# Altium PCB PCB1.PcbDoc (part 1 of 2) (continued)
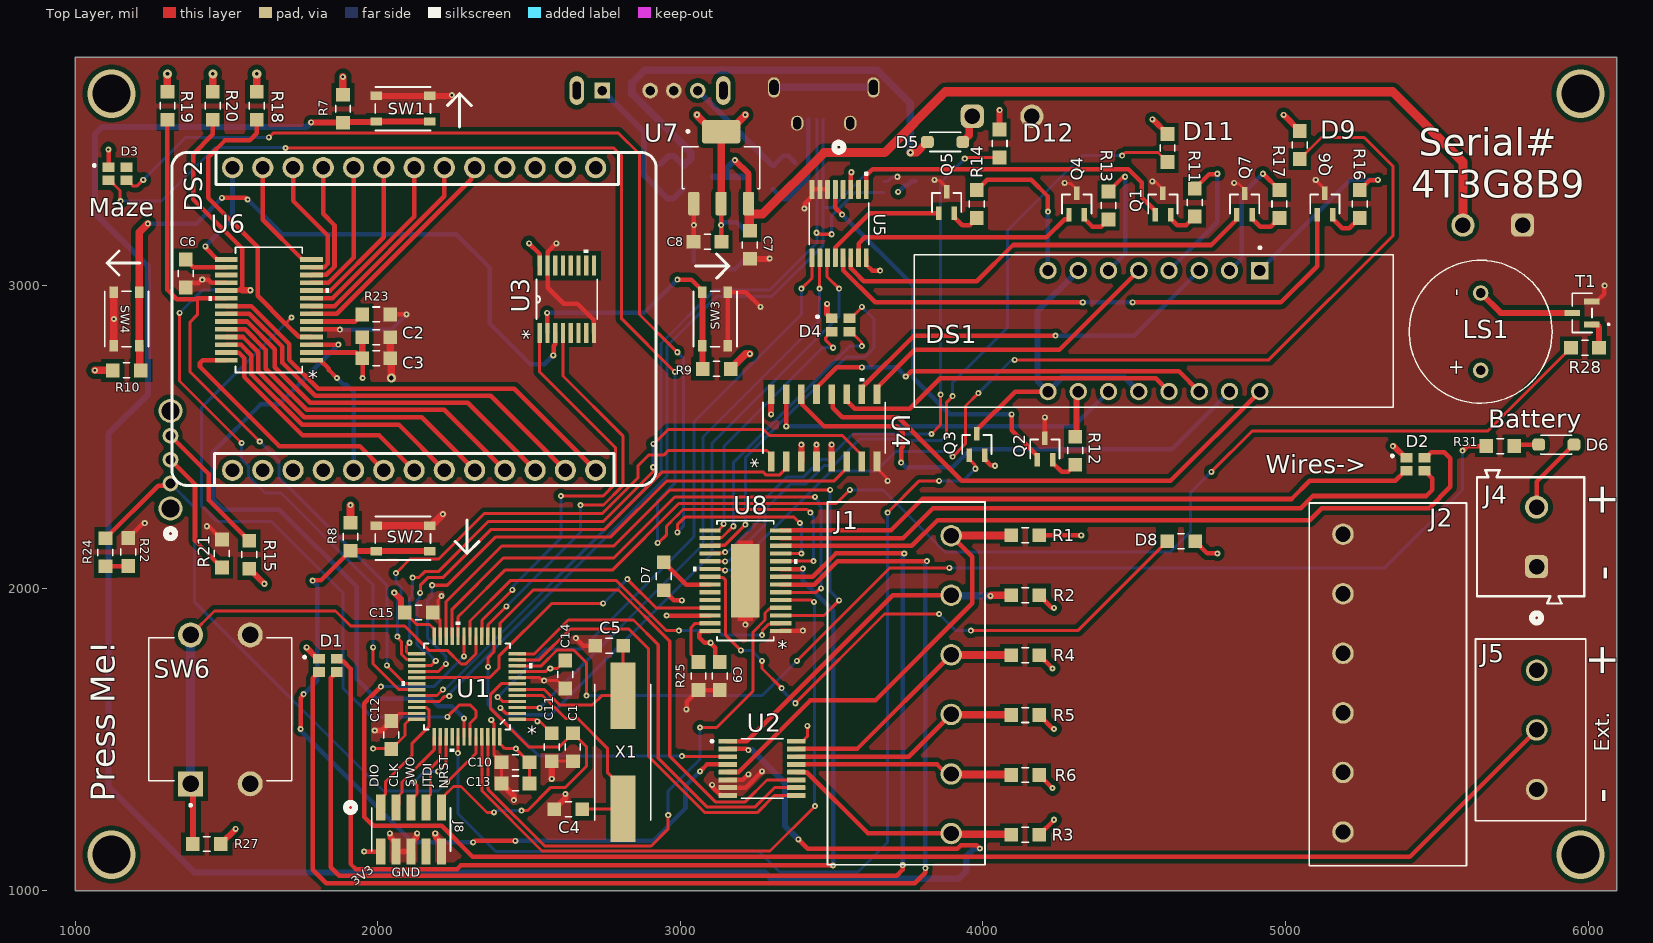
[diagram p0: Top Layer view]
## Part data (continued)
R7 R8 R9 R10 R15 R21 R27 R29 R30 R31: library part "RES 10k 5% 0.125W 0805", "Fixed Resistor, Metal Glaze/thick Film, 0.125W, 10000ohm, 150V, 5% +/-Tol, 200ppm/Cel, Surface Mount, 0805", Case/Package=0805, Manufacturer=Panasonic, Manufacturer Part Number=ERJ-6GEYJ103V, Max Operating Temperature=155°C, Min Operating Temperature=-55°C, Package Height=0.6mm, Package Length=2mm, Package Shape=Rectangular, Package Width=1.25mm, Power=125mW, Rated Temperature=70°C, Resistor Type="FIXED RESISTOR", Supplier Part Number=P10KACT-ND, Temperature Coefficient (ppm/Cel)=200, Tolerance=5%, Working Voltage=150V, Category="Chip SMD Resistors", ComponentLink1Description=https://datasheet.ciiva.com:443/pdfs/VipMasterIC/IC/PANA/PANA-S-A0009891627/PANA-S-A0009891627-1.pdf?src-supplier=IHS+Markit, ComponentLink1URL=https://datasheet.ciiva.com:443/pdfs/VipMasterIC/IC/PANA/PANA-S-A0009891627/PANA-S-A0009891627-1.pdf?src-supplier=IHS+Markit, ComponentLink2Description=https://datasheet.ciiva.com/11821/0900766b80f806dd-11821504.pdf?src-supplier=Rs, ComponentLink2URL=https://datasheet.ciiva.com/11821/0900766b80f806dd-11821504.pdf?src-supplier=Rs, ComponentLink3Description=https://datasheet.ciiva.com/43460/1500035-43460125.pdf?src-supplier=Farnell, ComponentLink3URL=https://datasheet.ciiva.com/43460/1500035-43460125.pdf?src-supplier=Farnell, ComponentLink4Description=https://datasheet.ciiva.com/16787/70255313-16787775.pdf?src-supplier=Allied+Electronics, ComponentLink4URL=https://datasheet.ciiva.com/16787/70255313-16787775.pdf?src-supplier=Allied+Electronics, ComponentLink5Description=https://datasheet.ciiva.com/9117/aoa0000ce1-9117371.pdf?src-supplier=Avnet, ComponentLink5URL=https://datasheet.ciiva.com/9117/aoa0000ce1-9117371.pdf?src-supplier=Avnet, ComponentLink6Description=https://datasheet.ciiva.com/22785/1500035-22785957.pdf?src-supplier=Farnell, ComponentLink6URL=https://datasheet.ciiva.com/22785/1500035-22785957.pdf?src-supplier=Farnell, ComponentLink7Description=https://datasheet.ciiva.com/28514/1678796-28514236.pdf?src-supplier=Element14, ComponentLink7URL=https://datasheet.ciiva.com/28514/1678796-28514236.pdf?src-supplier=Element14, ComponentLink8Description=https://datasheet.ciiva.com/16782/70255313-16782712.pdf?src-supplier=Allied+Electronics, ComponentLink8URL=https://datasheet.ciiva.com/16782/70255313-16782712.pdf?src-supplier=Allied+Electronics, ComponentLink9Description=https://datasheet.ciiva.com/16428/aoa0000ce1-16428072.pdf?src-supplier=Future+Electronics, ComponentLink9URL=https://datasheet.ciiva.com/16428/aoa0000ce1-16428072.pdf?src-supplier=Future+Electronics, ComponentLink10Description=https://datasheet.ciiva.com/30128/4aoa0000ce1-30128839.pdf?src-supplier=Onlinecomponents.com, ComponentLink10URL=https://datasheet.ciiva.com/30128/4aoa0000ce1-30128839.pdf?src-supplier=Onlinecomponents.com, ComponentLink11Description=https://datasheet.ciiva.com/46386/1500035-46386469.pdf?src-supplier=Element14, ComponentLink11URL=https://datasheet.ciiva.com/46386/1500035-46386469.pdf?src-supplier=Element14, Construction=Rectangular, JESD-609 Code=e3, Mounting Technology="Surface Mount", Packaging="Tape and Reel", Pins=2, Pricing="1=0.1, 10=0.041, 50=0.0256, 100=0.0212, 500=0.01448, 1000=0.01254 (USD)", Reach SVHC Compliant=Yes, Reference Standard=AEC-Q200, RoHS=Yes, RoHS Compliant=Yes, Stock=572653, Supplier=Digikey, Technology="METAL GLAZE/THICK FILM", Terminal Finish=Nickel, Termination=Wraparound
R11 R12 R13 R14 R16 R17: library part "RES 162 1% 0.125W 0805", "Fixed Resistor, Metal Glaze/thick Film, 0.125W, 162ohm, 150V, 1% +/-Tol, 100ppm/Cel, Surface Mount, 0805", Case/Package=0805, Manufacturer=Yageo, Manufacturer Part Number=RC0805FR-07162RL, Max Operating Temperature=155°C, Min Operating Temperature=-55°C, Package Height=0.5mm, Package Length=2mm, Package Shape=Rectangular, Package Width=1.25mm, Power=125mW, Rated Temperature=70°C, Resistor Type="FIXED RESISTOR", Supplier Part Number=311-162CRCT-ND, Temperature Coefficient (ppm/Cel)=100, Tolerance=1%, Working Voltage=150V, Additional Feature="LASER TRIMMABLE", Category="Chip SMD Resistors", ComponentLink1Description=https://datasheet.ciiva.com:443/pdfs/VipMasterIC/IC/YAGO/YAGO-S-A0008145938/YAGO-S-A0008145938-1.pdf?src-supplier=IHS+Markit, ComponentLink1URL=https://datasheet.ciiva.com:443/pdfs/VipMasterIC/IC/YAGO/YAGO-S-A0008145938/YAGO-S-A0008145938-1.pdf?src-supplier=IHS+Markit, ComponentLink2Description=https://datasheet.ciiva.com/2457/pyu-r-int-thick-7-2457830.pdf?src-supplier=Digikey, ComponentLink2URL=https://datasheet.ciiva.com/2457/pyu-r-int-thick-7-2457830.pdf?src-supplier=Digikey, ComponentLink3Description=https://datasheet.ciiva.com/2457/pyu-r-int-thick-7-2457831.pdf?src-supplier=Digikey, ComponentLink3URL=https://datasheet.ciiva.com/2457/pyu-r-int-thick-7-2457831.pdf?src-supplier=Digikey, ComponentLink4Description=https://datasheet.ciiva.com/2457/pyu-r-int-thick-7-2457832.pdf?src-supplier=Digikey, ComponentLink4URL=https://datasheet.ciiva.com/2457/pyu-r-int-thick-7-2457832.pdf?src-supplier=Digikey, Construction=Chip, JESD-609 Code=e3, Mounting Technology="Surface Mount", Packaging="Tape and Reel", Pins=2, Pricing="1=0.1, 10=0.013, 100=0.0112, 1000=0.00816, 2500=0.00735 (USD)", Reach SVHC Compliant=Yes, RoHS=Yes, RoHS Compliant=Yes, Stock=65718, Supplier=Digikey, Technology="METAL GLAZE/THICK FILM", Terminal Finish=Nickel, Termination=Wraparound
R18 R19 R20 R25: library part "RES 4.7k 1% 0.125W 0805", "Fixed Resistor, Metal Glaze/thick Film, 0.125W, 4700ohm, 150V, 1% +/-Tol, 100ppm/Cel, Surface Mount, 0805", Case/Package=0805, Manufacturer=Vishay, Manufacturer Part Number=CRCW08054K70FKEA, Max Operating Temperature=155°C, Min Operating Temperature=-55°C, Package Height=0.45mm, Package Length=2mm, Package Shape=Rectangular, Package Width=1.25mm, Power=125mW, Rated Temperature=70°C, Resistor Type="FIXED RESISTOR", Supplier Part Number=541-4.70KCCT-ND, Temperature Coefficient (ppm/Cel)=100, Tolerance=1%, Working Voltage=150V, Category="Chip SMD Resistors", ComponentLink1Description=https://datasheet.ciiva.com:443/pdfs/VipMasterIC/IC/VISH/VISH-S-A0007266705/VISH-S-A0007266705-1.pdf?src-supplier=IHS+Markit, ComponentLink1URL=https://datasheet.ciiva.com:443/pdfs/VipMasterIC/IC/VISH/VISH-S-A0007266705/VISH-S-A0007266705-1.pdf?src-supplier=IHS+Markit, ComponentLink2Description=https://datasheet.ciiva.com/26317/fld-crcw-e3-data-en-26317145.pdf?src-supplier=Distrelec, ComponentLink2URL=https://datasheet.ciiva.com/26317/fld-crcw-e3-data-en-26317145.pdf?src-supplier=Distrelec, ComponentLink3Description=https://datasheet.ciiva.com/2467/dcrcwe3-2467438.pdf?src-supplier=Digikey, ComponentLink3URL=https://datasheet.ciiva.com/2467/dcrcwe3-2467438.pdf?src-supplier=Digikey, ComponentLink4Description=https://datasheet.ciiva.com/16213/dcrcwe3-16213733.pdf?src-supplier=Future+Electronics, ComponentLink4URL=https://datasheet.ciiva.com/16213/dcrcwe3-16213733.pdf?src-supplier=Future+Electronics, Construction=Chip, JESD-609 Code=e3, Mounting Technology="Surface Mount", Packaging="Tape and Reel", Pins=2, Pricing="1=0.1, 10=0.041, 100=0.0212, 1000=0.01387 (USD)", Reach SVHC Compliant=Yes, Reference Standard=AEC-Q200, RoHS=Yes, RoHS Compliant=Yes, Stock=228783, Supplier=Digikey, Technology="METAL GLAZE/THICK FILM", Terminal Finish=Nickel, Termination=Wraparound
R26 R28: library part "RES 536 1% 0.125W 0805", "Fixed Resistor, Metal Glaze/thick Film, 0.125W, 536ohm, 150V, 1% +/-Tol, 100ppm/Cel, Surface Mount, 0805", Case/Package=0805, Manufacturer=Yageo, Manufacturer Part Number=RC0805FR-07536RL, Max Operating Temperature=155°C, Min Operating Temperature=-55°C, Package Height=0.5mm, Package Length=2mm, Package Shape=Rectangular, Package Width=1.25mm, Power=125mW, Rated Temperature=70°C, Resistor Type="FIXED RESISTOR", Supplier Part Number=311-536CRCT-ND, Temperature Coefficient (ppm/Cel)=100, Tolerance=1%, Working Voltage=150V, Additional Feature="LASER TRIMMABLE", Category="Chip SMD Resistors", ComponentLink1Description=https://datasheet.ciiva.com:443/pdfs/VipMasterIC/IC/YAGO/YAGO-S-A0008145938/YAGO-S-A0008145938-1.pdf?src-supplier=IHS+Markit, ComponentLink1URL=https://datasheet.ciiva.com:443/pdfs/VipMasterIC/IC/YAGO/YAGO-S-A0008145938/YAGO-S-A0008145938-1.pdf?src-supplier=IHS+Markit, ComponentLink2Description=https://datasheet.ciiva.com/17086/rc0805-17086270.pdf?src-supplier=Future+Electronics, ComponentLink2URL=https://datasheet.ciiva.com/17086/rc0805-17086270.pdf?src-supplier=Future+Electronics, Construction=Chip, JESD-609 Code=e3, Mounting Technology="Surface Mount", Packaging="Tape and Reel", Pins=2, Pricing="1=0.1, 10=0.013, 100=0.0122, 1000=0.00714, 2500=0.00686 (USD)", Reach SVHC Compliant=Yes, RoHS=Yes, RoHS Compliant=Yes, Stock=234523, Supplier=Digikey, Technology="METAL GLAZE/THICK FILM", Terminal Finish=Nickel, Termination=Wraparound
SW1 SW2 SW3 SW4: library part "SW Off-Mom OvalPush"
SW5: library part "SW 2pos Through RightAngle", "Slide Switch, 2 Positions, SPDT, On-on, Latched, 0.1A, 12VDC, 5 PCB Hole Cnt, Solder Terminal, Through Hole-right Angle", Actuator Color=Black, Contact Current(DC)-Max=100mA, Contact DC Max Rating R Load=.1A@12VDC, Contact Resistance=0.02mR, Contact Voltage(DC)-Max=12V, Dielectric Withstand Volts=500VACV, Insulation Resistance=100MR, Manufacturer="ITT C&K", Manufacturer Part Number=OS102011MA1QN1C, Manufacturer Series=OS, Max Operating Temperature=70°C, Min Operating Temperature=-10°C, Supplier Part Number=108-OS102011MA1QN1C-ND, Actuator Length=0.157inch, Actuator Material=Polyoxymethylene, Actuator Type=SLIDE, Body Breadth=4.4mm, Body Height=4.7mm, Body Length or Diameter=8.6mm, Category=Uncategorized, Center Contact Plating=Silver, ComponentLink1Description=https://datasheet.ciiva.com:443/pdfs/VipMasterIC/IC/CKCI/CKCI-S-A0001796527/CKCI-S-A0001948557-1.pdf?src-supplier=IHS+Markit, ComponentLink1URL=https://datasheet.ciiva.com:443/pdfs/VipMasterIC/IC/CKCI/CKCI-S-A0001796527/CKCI-S-A0001948557-1.pdf?src-supplier=IHS+Markit, ComponentLink2Description=http://components.arrow.com/part/dataview/56747024S511465N9444?src-supplier=Arrow+Electronics, ComponentLink2URL=http://components.arrow.com/part/dataview/56747024S511465N9444?src-supplier=Arrow+Electronics, ComponentLink3Description=http://www.mouser.com/ds/2/60/os-965314.pdf?src-supplier=Mouser, ComponentLink3URL=http://www.mouser.com/ds/2/60/os-965314.pdf?src-supplier=Mouser, ComponentLink4Description=https://datasheet.octopart.com/OS102011MA1QN1C-C%26K-Components-datasheet-165712316.pdf?src-supplier=Newark, ComponentLink4URL=https://datasheet.octopart.com/OS102011MA1QN1C-C%26K-Components-datasheet-165712316.pdf?src-supplier=Newark, ComponentLink5Description=http://www.ck-components.com/14388/os_17aug.pdf/?src-supplier=Avnet, ComponentLink5URL=http://www.ck-components.com/14388/os_17aug.pdf/?src-supplier=Avnet, ComponentLink6Description=https://datasheet.octopart.com/OS102011MA1QN1C-C%26K-Components-datasheet-150821956.pdf?src-supplier=Sager+Electronics, ComponentLink6URL=https://datasheet.octopart.com/OS102011MA1QN1C-C%26K-Components-datasheet-150821956.pdf?src-supplier=Sager+Electronics, Contact Function=On-On, Contact Material=Brass, End Contact Material="Copper Alloy", Insulation Material=Phenolic, JESD-609 Code=e4, Mounting Technology="Through Hole", Number of Positions=2, Packaging=Bulk, PCB Hole Count=5, Pricing="1200=0.39311 (USD)", Reach SVHC Compliant=Yes, RoHS=Yes, RoHS Compliant=Yes, Supplier=Digikey, Switch Action=LATCHED, Switch Function=SPDT, Switch Type="Slide Switch", Terminal Finish=Silver, Terminal Material=Brass, Termination=Solder
SW6: library part "SW Off-Mom Through", "Pushbutton Switch, SPST, Momentary-tactile, 0.05A, Solder Terminal, Through Hole-straight", Contact Current(AC)-Max=50mA, Manufacturer="TE Connectivity Alcoswitch", Manufacturer Part Number=FSM103, Operating Force-Max=1.57N, Supplier Part Number=450-1158-ND, Actuator Type="SQUARE/EXTENDED TYPE", Category="Pushbutton Switches", ComponentLink1Description=https://www.te.com:443/usa-en/product-1437565-5.datasheet.pdf?src-supplier=IHS+Markit, ComponentLink1URL=https://www.te.com:443/usa-en/product-1437565-5.datasheet.pdf?src-supplier=IHS+Markit, ComponentLink2Description=https://datasheet.ciiva.com/2899/eng-cd-1437565-5-e2-2899955.pdf?src-supplier=Digikey, ComponentLink2URL=https://datasheet.ciiva.com/2899/eng-cd-1437565-5-e2-2899955.pdf?src-supplier=Digikey, ComponentLink3Description=https://datasheet.ciiva.com/8661/eng-cd-1437565-5-d-8661873.pdf?src-supplier=Avnet, ComponentLink3URL=https://datasheet.ciiva.com/8661/eng-cd-1437565-5-d-8661873.pdf?src-supplier=Avnet, ComponentLink4Description=https://datasheet.ciiva.com/5809/eng-cd-1437565-5-e2-5809302.pdf?src-supplier=Farnell, ComponentLink4URL=https://datasheet.ciiva.com/5809/eng-cd-1437565-5-e2-5809302.pdf?src-supplier=Farnell, ComponentLink5Description=https://datasheet.ciiva.com/7635/921681-7635435.pdf?src-supplier=Element14, ComponentLink5URL=https://datasheet.ciiva.com/7635/921681-7635435.pdf?src-supplier=Element14, ComponentLink6Description=https://datasheet.ciiva.com/31838/eng-cat-1308390-0904-e15-e25-31838910.pdf?src-supplier=Onlinecomponents.com, ComponentLink6URL=https://datasheet.ciiva.com/31838/eng-cat-1308390-0904-e15-e25-31838910.pdf?src-supplier=Onlinecomponents.com, Contact Current(DC)-Max=50mA, Mounting Technology="Through Hole", Packaging=Bulk, Pricing="1=0.4, 10=0.345, 25=0.3224, 100=0.2883, 400=0.25685, 800=0.2425, 1200=0.23463, 2800=0.21944, 5200=0.20947 (USD)", Reach SVHC Compliant=Yes, RoHS=Yes, RoHS Compliant=Yes, Stock=27729, Supplier=Digikey, Switch Action=MOMENTARY-TACTILE, Switch Function=SPST, Switch Type=Pushbutton, Termination=Solder
SW7: library part "SW On-On-On 300mA", "12.7 x 7.5 x 4.5 mm, 2 mm Raised Slide Actuator, Right Angle, Through Hole, Slide Switch", Manufacturer="Same Sky", Manufacturer Part Number=SLW-1277545-2A-RA-S-D, Supplier Part Number=2223-SLW-1277545-2A-RA-S-D-ND, Pricing="1=0.39, 10=0.336, 25=0.314, 100=0.2811, 250=0.26048, 500=0.24582, 1000=0.23217, 3000=0.2128, 5000=0.20479 (USD)", RoHS=No, Stock=2799, Supplier=Digikey
T1: library part "T npn 40V 0.2A", "Small Signal Bipolar Transistor, 0.2A I(C), 40V V(BR)CEO, 1-Element, NPN, Silicon", Collector-emitter Voltage-Max=40V, DC Current Gain-Min (hFE)=30, Frequency=300MHz, Manufacturer=MCC, Manufacturer Part Number=MMBT3904-TP, Max Collector Current=200mA, Max Operating Temperature=150°C, Package Body Material=Plastic, Package Shape=Rectangular, Package Style="SMALL OUTLINEMeter", Peak Reflow Temperature (Cel)=260°C, Power Dissipation-Max (Abs)=350mW, Supplier Part Number=MMBT3904TPMSCT-ND, Time @ Peak Reflow Temperature-Max (s)=10s, Category=BJTs, ComponentLink1Description=https://datasheet.ciiva.com:443/pdfs/VipMasterIC/IC/MCCC/MCCC-S-A0009373541/MCCC-S-A0009372855-1.pdf?src-supplier=IHS+Markit, ComponentLink1URL=https://datasheet.ciiva.com:443/pdfs/VipMasterIC/IC/MCCC/MCCC-S-A0009373541/MCCC-S-A0009372855-1.pdf?src-supplier=IHS+Markit, ComponentLink2Description=https://datasheet.ciiva.com/16291/mmbt3904sot-23-37005-16291911.pdf?src-supplier=Mouser, ComponentLink2URL=https://datasheet.ciiva.com/16291/mmbt3904sot-23-37005-16291911.pdf?src-supplier=Mouser, ComponentLink3Description=https://datasheet.ciiva.com/15139/getdatasheetpartid-251950-15139820.pdf?src-supplier=Verical, ComponentLink3URL=https://datasheet.ciiva.com/15139/getdatasheetpartid-251950-15139820.pdf?src-supplier=Verical, ComponentLink4Description=https://datasheet.ciiva.com/972/mmbt3904sot-23-972515.pdf?src-supplier=Digikey, ComponentLink4URL=https://datasheet.ciiva.com/972/mmbt3904sot-23-972515.pdf?src-supplier=Digikey, ComponentLink5Description=https://datasheet.ciiva.com/14546/70055699-14546053.pdf?src-supplier=Allied+Electronics, ComponentLink5URL=https://datasheet.ciiva.com/14546/70055699-14546053.pdf?src-supplier=Allied+Electronics, ComponentLink6Description=https://datasheet.ciiva.com/16742/mmbt3904tsot-523-16742101.pdf?src-supplier=Future+Electronics, ComponentLink6URL=https://datasheet.ciiva.com/16742/mmbt3904tsot-523-16742101.pdf?src-supplier=Future+Electronics, ComponentLink7Description=https://datasheet.ciiva.com/972/mmbt3904sot-23-972516.pdf?src-supplier=Digikey, ComponentLink7URL=https://datasheet.ciiva.com/972/mmbt3904sot-23-972516.pdf?src-supplier=Digikey, JESD-30 Code=R-PDSO-G3, JESD-609 Code=e3, Moisture Sensitivity Level=1, Number of Elements=1, Pins=3, Polarity/Channel Type=NPN, Pricing="1=0.1, 10=0.063, 100=0.0387, 500=0.02782, 1000=0.02427 (USD)", Qualification Status="Not Qualified", Reach SVHC Compliant=Yes, RoHS=Yes, RoHS Compliant=Yes, Stock=1384347, Supplier=Digikey, Surface Mount=Yes, Terminal Finish=Tin, Terminal Form="Gull Wing", Terminal Position=DUAL, Transistor Application=AMPLIFIER, Transistor Element Material=SILICON, Turn-off Time-Max (toff)=250ns, Turn-on Time-Max (ton)=70ns
U1: library part "IC STM32L412CBT6", "RISC Microcontroller", Manufacturer=STMicroelectronics, Supplier Part Number=497-18227-ND, Category=Microcontrollers, ComponentLink1Description=https://datasheet.ciiva.com:443/pdfs/VipMasterIC/IC/SGST/SGST-S-A0007993151/SGST-S-A0009026353-1.pdf?src-supplier=IHS+Markit, ComponentLink1URL=https://datasheet.ciiva.com:443/pdfs/VipMasterIC/IC/SGST/SGST-S-A0007993151/SGST-S-A0009026353-1.pdf?src-supplier=IHS+Markit, ComponentLink2Description=http://www.farnell.com/datasheets/2710915.pdf?src-supplier=Farnell, ComponentLink2URL=http://www.farnell.com/datasheets/2710915.pdf?src-supplier=Farnell, ComponentLink3Description=https://www.st.com/resource/en/datasheet/stm32l412kb.pdf?src-supplier=Digikey, ComponentLink3URL=https://www.st.com/resource/en/datasheet/stm32l412kb.pdf?src-supplier=Digikey, ComponentLink4Description=https://datasheet.octopart.com/STM32L412CBT6-STMicroelectronics-datasheet-136158773.pdf?src-supplier=Future+Electronics, ComponentLink4URL=https://datasheet.octopart.com/STM32L412CBT6-STMicroelectronics-datasheet-136158773.pdf?src-supplier=Future+Electronics, Manufacturer Part Number=STM32L412CBT6, Mfr_Name=STMicroelectronics, Pricing="1=3.88, 10=2.927, 25=2.6896, 100=2.4289, 250=2.30448, 500=2.2295, 1000=2.16779, 2500=2.10264 (USD)", RefDes=RefDes, RoHS=Yes, RoHS Compliant=Yes, Stock=1307, Supplier=Digikey, Type=Type
U2 U5: library part "IC MUX 8:1 SN74LV4051APWR", "Single-Ended Multiplexer, 1 Func, 8 Channel, CMOS, PDSO16", Case/Package=TSSOP, Manufacturer="Texas Instruments", Max Operating Temperature=85°C, Max Supply Voltage=5.5V, Min Operating Temperature=-40°C, Min Supply Voltage=2V, Nominal Supply Voltage=2.3V, On-state Resistance Match-Nom=2.1R, On-state Resistance-Max (Ron)=180R, Package Body Material=Plastic, Package Equivalence Code=TSSOP16,.25, Package Shape=Rectangular, Package Style="SMALL OUTLINE, THIN PROFILE, SHRINK PITCHMeter", Peak Reflow Temperature (Cel)=260°C, Power Supplies=3.3V, Signal Current-Max=50mA, Supplier Part Number=296-3829-1-ND, Supply Current-Max (Isup)=20uA, Temperature Grade=INDUSTRIAL, Category="Decoders and Multiplexers", Channels=1, ComponentLink1Description=https://www.ti.com:443/lit/ds/symlink/sn74lv4051a.pdf?src-supplier=IHS+Markit, ComponentLink1URL=https://www.ti.com:443/lit/ds/symlink/sn74lv4051a.pdf?src-supplier=IHS+Markit, ComponentLink2Description=https://datasheet.ciiva.com/27051/1026350-27051257.pdf?src-supplier=Jameco, ComponentLink2URL=https://datasheet.ciiva.com/27051/1026350-27051257.pdf?src-supplier=Jameco, ComponentLink3Description=https://datasheet.ciiva.com/15127/getdatasheetpartid-300450-15127659.pdf?src-supplier=Verical, ComponentLink3URL=https://datasheet.ciiva.com/15127/getdatasheetpartid-300450-15127659.pdf?src-supplier=Verical, ComponentLink4Description=https://datasheet.ciiva.com/1669/sn74lv4051a-1669786.pdf?src-supplier=Digikey, ComponentLink4URL=https://datasheet.ciiva.com/1669/sn74lv4051a-1669786.pdf?src-supplier=Digikey, ComponentLink5Description=https://datasheet.ciiva.com/1669/sn74lv4051a-1669787.pdf?src-supplier=Digikey, ComponentLink5URL=https://datasheet.ciiva.com/1669/sn74lv4051a-1669787.pdf?src-supplier=Digikey, ComponentLink6Description=https://datasheet.ciiva.com/1669/sn74lv4051a-1669788.pdf?src-supplier=Digikey, ComponentLink6URL=https://datasheet.ciiva.com/1669/sn74lv4051a-1669788.pdf?src-supplier=Digikey, ComponentLink7Description=https://datasheet.ciiva.com/2980/sn74lv4051a-2980182.pdf?src-supplier=Avnet, ComponentLink7URL=https://datasheet.ciiva.com/2980/sn74lv4051a-2980182.pdf?src-supplier=Avnet, ComponentLink8Description=https://datasheet.ciiva.com/48711/001048021-da-01-en-ic-de-mux-8x-sn74lv4051apwr-tssop-16-tid-48711975.pdf?src-supplier=Conrad, ComponentLink8URL=https://datasheet.ciiva.com/48711/001048021-da-01-en-ic-de-mux-8x-sn74lv4051apwr-tssop-16-tid-48711975.pdf?src-supplier=Conrad, Height - Seated (Max)=1.2mm, JESD-30 Code=R-PDSO-G16, JESD-609 Code=e3, Length=5mm, Manufacturer Part Number=SN74LV4051APWR, Moisture Sensitivity Level=1, Number of Channels=8, Off-state Isolation-Nom=45dB, Pins=16, Pricing="1=0.27, 10=0.189, 25=0.1672, 100=0.1435, 250=0.13224, 500=0.12538, 1000=0.11977 (USD)", Qualification Status="Not Qualified", Reach SVHC Compliant=Yes, RoHS=Yes, RoHS Compliant=Yes, Stock=20567, Supplier=Digikey, Surface Mount=Yes, Switch-off Time-Max=28ns, Switch-on Time-Max=28ns, Technology=CMOS, Terminal Finish=Tin, Terminal Form="Gull Wing", Terminal Pitch=0.65mm, Terminal Position=DUAL, Throw Configuration="SINGLE-ENDED MULTIPLEXER", Width=4.4mm
U3: library part "IC 1:2 Switch SN74CBTLV3257PWR", "Multiplexer And Demux/Decoder, CBTLV/3B Series, 4-Func, 1 Line Input, 2 Line Output, True Output, CMOS, PDSO16", Case/Package=TSSOP, Manufacturer="Texas Instruments", Max Operating Temperature=85°C, Max Supply Voltage=3.6V, Min Operating Temperature=-40°C, Min Supply Voltage=2.3V, Nominal Supply Voltage=2.5V, Package Body Material=Plastic, Package Equivalence Code=TSSOP16,.25, Package Shape=Rectangular, Package Style="SMALL OUTLINE, THIN PROFILE, SHRINK PITCHMeter", Peak Reflow Temperature (Cel)=260°C, Power Supplies=2.5/3.3V, Supplier Part Number=296-9138-1-ND, Temperature Grade=INDUSTRIAL, Category="Decoders and Multiplexers", Channels=4, ComponentLink1Description=https://www.ti.com:443/lit/ds/symlink/sn74cbtlv3257.pdf?src-supplier=IHS+Markit, ComponentLink1URL=https://www.ti.com:443/lit/ds/symlink/sn74cbtlv3257.pdf?src-supplier=IHS+Markit, ComponentLink2Description=https://datasheet.ciiva.com/15096/getdatasheetpartid-475832-15096886.pdf?src-supplier=Verical, ComponentLink2URL=https://datasheet.ciiva.com/15096/getdatasheetpartid-475832-15096886.pdf?src-supplier=Verical, ComponentLink3Description=https://datasheet.ciiva.com/34301/914507-34301751.pdf?src-supplier=Jameco, ComponentLink3URL=https://datasheet.ciiva.com/34301/914507-34301751.pdf?src-supplier=Jameco, ComponentLink4Description=https://datasheet.ciiva.com/41457/001016561-da-01-en-ic-4b-1of-sn74cbtlv3257pwr-tssop-16-tid-41457145.pdf?src-supplier=Conrad, ComponentLink4URL=https://datasheet.ciiva.com/41457/001016561-da-01-en-ic-4b-1of-sn74cbtlv3257pwr-tssop-16-tid-41457145.pdf?src-supplier=Conrad, ComponentLink5Description=https://datasheet.ciiva.com/1509/1634002-1509116.pdf?src-supplier=Element14, ComponentLink5URL=https://datasheet.ciiva.com/1509/1634002-1509116.pdf?src-supplier=Element14, ComponentLink6Description=https://datasheet.ciiva.com/46395/1882419-46395595.pdf?src-supplier=Element14, ComponentLink6URL=https://datasheet.ciiva.com/46395/1882419-46395595.pdf?src-supplier=Element14, ComponentLink7Description=https://datasheet.ciiva.com/3169/sn74cbtlv3257-3169116.pdf?src-supplier=Avnet, ComponentLink7URL=https://datasheet.ciiva.com/3169/sn74cbtlv3257-3169116.pdf?src-supplier=Avnet, ComponentLink8Description=https://datasheet.ciiva.com/3169/sn74cbtlv3257-3169117.pdf?src-supplier=Avnet, ComponentLink8URL=https://datasheet.ciiva.com/3169/sn74cbtlv3257-3169117.pdf?src-supplier=Avnet, ComponentLink9Description=https://datasheet.ciiva.com/1888/sn74cbtlv3257-1888771.pdf?src-supplier=Digikey, ComponentLink9URL=https://datasheet.ciiva.com/1888/sn74cbtlv3257-1888771.pdf?src-supplier=Digikey, ComponentLink10Description=https://datasheet.ciiva.com/1888/sn74cbtlv3257-1888772.pdf?src-supplier=Digikey, ComponentLink10URL=https://datasheet.ciiva.com/1888/sn74cbtlv3257-1888772.pdf?src-supplier=Digikey, ComponentLink11Description=https://datasheet.ciiva.com/1888/sn74cbtlv3257-1888773.pdf?src-supplier=Digikey, ComponentLink11URL=https://datasheet.ciiva.com/1888/sn74cbtlv3257-1888773.pdf?src-supplier=Digikey, Height - Seated (Max)=1.2mm, JESD-30 Code=R-PDSO-G16, JESD-609 Code=e3, Length=5mm, Logic Type="MULTIPLEXER AND DEMUX/DECODER", Manufacturer Part Number=SN74CBTLV3257PWR, Moisture Sensitivity Level=1, Number of Inputs=1, Number of Outputs=2, Output Characteristics=3-STATE, Output Polarity=True, Pins=16, Pricing="1=0.45, 10=0.314, 25=0.2804, 100=0.2431, 250=0.22532, 500=0.21458, 1000=0.20655 (USD)", Propagation Delay (tpd)=0.25ns, Qualification Status="Not Qualified", Reach SVHC Compliant=Yes, RoHS=Yes, RoHS Compliant=Yes, Stock=30419, Supplier=Digikey, Surface Mount=Yes, Technology=CMOS, Terminal Finish=Tin, Terminal Form="Gull Wing", Terminal Pitch=0.65mm, Terminal Position=DUAL, Width=4.4mm
U4: library part "IC DRVR 7 SEG SN74LS47DR", "Seven Segment Decoder/Driver, LS Series, Inverted Output, TTL, PDSO16", Case/Package=SOP, Load Capacitance (CL)=15pF, Manufacturer="Texas Instruments", Max Operating Temperature=70°C, Max Supply Voltage=5.5V, Min Operating Temperature=0°C, Min Supply Voltage=4.75V, Nominal Supply Voltage=5V, Package Body Material=Plastic, Package Shape=Rectangular, Package Style="SMALL OUTLINEMeter", Peak Reflow Temperature (Cel)=260°C, Power Supply Current-Max (ICC)=13mA, Supplier Part Number=296-46894-1-ND, Temperature Grade=COMMERCIAL, Category="Integrated Circuits (ICs)", Channels=1, ComponentLink1Description=https://www.ti.com:443/lit/ds/symlink/sn5447a.pdf?src-supplier=IHS+Markit, ComponentLink1URL=https://www.ti.com:443/lit/ds/symlink/sn5447a.pdf?src-supplier=IHS+Markit, ComponentLink2Description=https://datasheet.ciiva.com/14293/sn74ls47-14293676.pdf?src-supplier=Avnet, ComponentLink2URL=https://datasheet.ciiva.com/14293/sn74ls47-14293676.pdf?src-supplier=Avnet, Height - Seated (Max)=1.75mm, Input Conditioning=STANDARD, JESD-30 Code=R-PDSO-G16, JESD-609 Code=e4, Length=9.9mm, Logic Type="SEVEN SEGMENT DECODER/DRIVER", Manufacturer Part Number=SN74LS47DR, Moisture Sensitivity Level=1, Output Characteristics=OPEN-COLLECTOR, Output Polarity=INVERTED, Pins=16, Pricing="1=1.33, 10=0.967, 25=0.876, 100=0.7762, 250=0.72848, 500=0.70992 (USD)", Propagation Delay (tpd)=100ns, Qualification Status="Not Qualified", Reach SVHC Compliant=Yes, RoHS=Yes, RoHS Compliant=Yes, Stock=3469, Supplier=Digikey, Surface Mount=Yes, Technology=TTL, Terminal Finish=Nickel, Terminal Form="Gull Wing", Terminal Pitch=1.27mm, Terminal Position=DUAL, Width=3.9mm
U6: library part "IC MatrixDriv IS31FL3731-SALS2-TR", "LED Driver, 144-Segment, PDSO28", Manufacturer=ISSI, Supplier Part Number=2521-IS31FL3731-SALS2-TRCT-ND, Category="Integrated Circuits (ICs)", Interface IC Type="LED DISPLAY DRIVER", Manufacturer Part Number=IS31FL3731-SALS2-TR, Pricing="1=2.67, 10=1.682, 25=1.4248, 100=1.1332, 250=0.99012, 500=0.90206, 1000=0.82831 (USD)", Reach SVHC Compliant=Yes, RoHS=Yes, RoHS Compliant=Yes, Stock=791, Supplier=Digikey
U7: library part "IC LIN REG 3V3 LDL1117S33R", "Fixed Positive LDO Regulator, 3.3V, 0.6V Dropout, PDSO4", Case/Package=SOP, Dropout Voltage1-Max=600mV, Manufacturer=STMicroelectronics, Max Supply Voltage=18V, Min Input Voltage=4.3V, Operating Temperature, TJ-Max=125°C, Operating Temperature, TJ-Min=-40°C, Output Current1-Max=1.2A, Output Voltage1-Max=3.399V, Output Voltage1-Min=3.201V, Output Voltage1-Nom=3.3V, Package Body Material=Plastic, Package Shape=Rectangular, Package Style="SMALL OUTLINEMeter", Supplier Part Number=497-17239-1-ND, Category="Voltage Regulators - Linear", Channels=1, ComponentLink1Description=https://datasheet.ciiva.com:443/pdfs/VipMasterIC/IC/SGST/SGST-S-A0010030722/SGST-S-A0010030722-1.pdf?src-supplier=IHS+Markit, ComponentLink1URL=https://datasheet.ciiva.com:443/pdfs/VipMasterIC/IC/SGST/SGST-S-A0010030722/SGST-S-A0010030722-1.pdf?src-supplier=IHS+Markit, ComponentLink2Description=http://www.farnell.com/datasheets/2259188.pdf?src-supplier=Farnell, ComponentLink2URL=http://www.farnell.com/datasheets/2259188.pdf?src-supplier=Farnell, ComponentLink3Description=http://www.st.com/content/ccc/resource/technical/document/datasheet/group3/0e/5a/00/ca/10/1a/4f/a5/DM00366442/files/DM00366442.pdf/jcr:content/translations/en.DM00366442.pdf?src-supplier=Digikey, ComponentLink3URL=http://www.st.com/content/ccc/resource/technical/document/datasheet/group3/0e/5a/00/ca/10/1a/4f/a5/DM00366442/files/DM00366442.pdf/jcr:content/translations/en.DM00366442.pdf?src-supplier=Digikey, ComponentLink4Description=http://www.farnell.com/datasheets/2259188.pdf?src-supplier=Element14, ComponentLink4URL=http://www.farnell.com/datasheets/2259188.pdf?src-supplier=Element14, Height - Seated (Max)=1.9mm, JESD-30 Code=R-PDSO-G4, Length=6.5mm, Manufacturer Part Number=LDL1117S33R, Pins=4, Pricing="1=0.36, 10=0.251, 25=0.2232, 100=0.1926, 250=0.178, 500=0.16922, 1000=0.16199 (USD)", Reach SVHC Compliant=Yes, Regulator Type="FIXED POSITIVE SINGLE OUTPUT LDO REGULATOR", RoHS=Yes, RoHS Compliant=Yes, Stock=71269, Supplier=Digikey, Surface Mount=Yes, Terminal Form="Gull Wing", Terminal Pitch=2.3mm, Terminal Position=DUAL, Width=3.5mm
U8: library part "IC 16LED Driver TLC59401PWPR", "LED Driver, 16-Segment, PDSO28", Case/Package=HTSSOP, Manufacturer="Texas Instruments", Max Operating Temperature=85°C, Max Supply Voltage=5.5V, Min Operating Temperature=-40°C, Min Supply Voltage=3V, Nominal Supply Voltage=5V, Package Body Material=Plastic, Package Equivalence Code=TSSOP28,.25, Package Shape=Rectangular, Package Style="SMALL OUTLINEMeter", Peak Reflow Temperature (Cel)=260°C, Power Supplies=3.3/5V, Supplier Part Number=296-25565-1-ND, Temperature Grade=INDUSTRIAL, Category="LED Drivers", Channels=1, ComponentLink1Description=https://www.ti.com:443/lit/ds/symlink/tlc59401.pdf?src-supplier=IHS+Markit, ComponentLink1URL=https://www.ti.com:443/lit/ds/symlink/tlc59401.pdf?src-supplier=IHS+Markit, ComponentLink2Description=https://datasheet.ciiva.com/1945/tlc59401-1945872.pdf?src-supplier=Digikey, ComponentLink2URL=https://datasheet.ciiva.com/1945/tlc59401-1945872.pdf?src-supplier=Digikey, ComponentLink3Description=https://datasheet.ciiva.com/15135/getdatasheetpartid-530850-15135421.pdf?src-supplier=Verical, ComponentLink3URL=https://datasheet.ciiva.com/15135/getdatasheetpartid-530850-15135421.pdf?src-supplier=Verical, ComponentLink4Description=https://datasheet.ciiva.com/3165/tlc59401-3165430.pdf?src-supplier=Avnet, ComponentLink4URL=https://datasheet.ciiva.com/3165/tlc59401-3165430.pdf?src-supplier=Avnet, ComponentLink5Description=https://datasheet.ciiva.com/1945/tlc59401-1945871.pdf?src-supplier=Digikey, ComponentLink5URL=https://datasheet.ciiva.com/1945/tlc59401-1945871.pdf?src-supplier=Digikey, ComponentLink6Description=https://datasheet.ciiva.com/1945/tlc59401-1945873.pdf?src-supplier=Digikey, ComponentLink6URL=https://datasheet.ciiva.com/1945/tlc59401-1945873.pdf?src-supplier=Digikey, Data Input Mode=SERIAL, fmax-Min=30MHz, Height - Seated (Max)=1.2mm, Interface IC Type="LED DISPLAY DRIVER", JESD-30 Code=R-PDSO-G28, JESD-609 Code=e4, Length=9.7mm, Manufacturer Part Number=TLC59401PWPR, Moisture Sensitivity Level=2, Multiplexed Display Capability=No, Number of Segments=16, Pins=28, Pricing="1=2.56, 10=1.902, 25=1.7388, 100=1.5588, 250=1.47304, 500=1.42132, 1000=1.37876 (USD)", Qualification Status="Not Qualified", Reach SVHC Compliant=Yes, RoHS=Yes, RoHS Compliant=Yes, Stock=2649, Supplier=Digikey, Surface Mount=Yes, Terminal Finish=Nickel, Terminal Form="Gull Wing", Terminal Pitch=0.65mm, Terminal Position=DUAL, Width=4.4mm
U9: library part "IC USB Dual ESD Protec IP4220CZ6,125", "Trans Voltage Suppressor Diode, Unidirectional, 1 Element, Silicon", Manufacturer=Nexperia, Max Breakdown Voltage=9V, Min Breakdown Voltage=6V, Package Body Material=Plastic, Package Shape=Rectangular, Package Style="SMALL OUTLINEMeter", Peak Reflow Temperature (Cel)=260°C, Supplier Part Number=1727-3578-1-ND, Time @ Peak Reflow Temperature-Max (s)=30s, Category="TVS Diodes", ComponentLink1Description=https://datasheet.ciiva.com:443/pdfs/VipMasterIC/IC/NEXP/NEXP-S-A0003060256/NEXP-S-A0003059736-1.pdf?src-supplier=IHS+Markit, ComponentLink1URL=https://datasheet.ciiva.com:443/pdfs/VipMasterIC/IC/NEXP/NEXP-S-A0003060256/NEXP-S-A0003059736-1.pdf?src-supplier=IHS+Markit, ComponentLink2Description=http://www.farnell.com/datasheets/1708221.pdf?src-supplier=Farnell, ComponentLink2URL=http://www.farnell.com/datasheets/1708221.pdf?src-supplier=Farnell, ComponentLink3Description=https://assets.nexperia.com/documents/data-sheet/IP4220CZ6.pdf?src-supplier=Digikey, ComponentLink3URL=https://assets.nexperia.com/documents/data-sheet/IP4220CZ6.pdf?src-supplier=Digikey, Diode Element Material=SILICON, Diode Type="TRANS VOLTAGE SUPPRESSOR", JESD-30 Code=R-PDSO-G6, JESD-609 Code=e3, Manufacturer Part Number=IP4220CZ6,125, Moisture Sensitivity Level=1, Number of Elements=1, Pins=6, Polarity=Unidirectional, Pricing="1=0.28, 10=0.223, 100=0.172, 500=0.148, 1000=0.11031 (USD)", Reach SVHC Compliant=Yes, RoHS=Yes, RoHS Compliant=Yes, Stock=42341, Supplier=Digikey, Surface Mount=Yes, Technology=ZENER, Terminal Finish=Tin, Terminal Form="Gull Wing", Terminal Position=DUAL
X1: library part "OSC 16MHz 18pF"

## Via types
v1: diameter 20, hole 8, Top Layer to Bottom Layer, tented both sides, 222 vias
v2: diameter 160, hole 126, Top Layer to Bottom Layer, 4 vias
v3: diameter 30, hole 12, Top Layer to Bottom Layer, tented both sides, 3 vias
v4: diameter 30, hole 15, Top Layer to Bottom Layer, tented both sides, 1 vias
v5: diameter 20, hole 8, Top Layer to Bottom Layer, 1 vias
v6: diameter 25, hole 10, Top Layer to Bottom Layer, tented both sides, 1 vias

## Nets (pads, with @x,y where several pads share a name; then routed paths per layer and width w, separated by ;. In a path a pad name is that pad's centre, name@x,y a point inside that pad or via, vN(x,y) a via of type N, cw(c..) or ccw(c..) an arc to the next point about the centre after c; other vN are vias at no path point)
7Seg_D1_Cat: DS1.1 R16.2 | length 588.2
  Top Layer w15: R16.2@5245,3316.26 5277.78,3349.04 5304.04,3349.04 v1(5305,3350)
  Bottom Layer w15: DS1.1@4915,3050 5215,3350 v1(5305,3350)
7Seg_D1_Sig: Q6.1 U5.13 | length 1871.1
  Top Layer w15: U5.13@3537.8,3092.01 3538.37,3091.44 3538.37,3050.38 3643.74,2945 v1(4330,2945) ; v1(4495,2945) 4985,2945 5104.41,3064.41 Q6.1@5104.41,3234.5
  Bottom Layer w15: v1(4330,2945) v1(4495,2945)
7Seg_D2_Cat: DS1.2 R17.2 | length 442.8
  Top Layer w15: v1(4925,3370) 4926.26,3370 R17.2@4980,3316.26
  Bottom Layer w15: DS1.2@4815,3050 4855,3090 4855,3300 v1(4925,3370)
7Seg_D2_Sig: Q7.1 U5.14 | length 1427.2
  Top Layer w15: U5.14@3563.39,3092.01 3563.96,3091.44 3563.96,3057.31 3575.67,3045.6 3606.27,3015 3980,3015 4099.5,3134.5 4754.5,3134.5 4837.91,3217.91 4837.91,3232.5 Q7.1@4839.41,3234
7Seg_D3_Cat: DS1.6 R13.2 | length 408
  Top Layer w15: R13.2@4415,3311.26 4462.78,3359.04 4469.04,3359.04 v1(4470,3360)
  Bottom Layer w15: DS1.6@4415,3050 4470,3105 v1(4470,3360)
7Seg_D3_Sig: Q4.1 U5.15 | length 789.6
  Top Layer w15: U5.15@3588.98,3092.01 3588.98,3138.98 3610,3160 4209.91,3160 4269.91,3220 4282.91,3220 4284.41,3221.5 Q4.1@4284.41,3234.5
7Seg_D4_Cat: DS1.8 R14.2 | length 516.8
  Top Layer w15: R14.2@3980,3316.26 4013.74,3350 4160,3350 4215,3295 v1(4215,3245)
  Bottom Layer w15: DS1.8@4215,3050 v1(4215,3245)
7Seg_D4_Sig: Q5.1 U5.12 | length 423.3
  Top Layer w15: U5.12@3512.2,3092.01 3512.78,3092.58 3512.78,3126.7 3625.57,3239.5 Q5.1@3854.41,3239.5
7Seg_Deg_Cat: DS1.10 R12.2 | length 152.9
  Top Layer w20: R12.2@4305,2501.26 4310,2506.26 4310,2645 DS1.10@4315,2650
7Seg_Deg_Sig: Q2.1 U5.5 | length 1289.7
  Top Layer w15: U5.5@3512.2,3317.99 3512.2,3258.17 3535,3235.37 v1(3535,3235) ; v1(4095,2575) 4095,2521.91 4179.41,2437.5 Q2.1@4179.41,2424.5
  Bottom Layer w15: v1(3535,3235) 3769.5,3000.5 3769.5,2695.85 3890.35,2575 v1(4095,2575)
7Seg_Dots_Cat: DS1.4 R11.2 | length 481.5
  Top Layer w15: R11.2@4700,3321.26 4747.78,3369.04 4774.04,3369.04 v1(4775,3370)
  Bottom Layer w15: DS1.4@4615,3050 4775,3210 v1(4775,3370)
7Seg_Dots_Sig: Q1.1 U5.1 | length 1109
  Top Layer w15: U5.1@3614.57,3317.99 3615,3318.43 3615,3365 3635.5,3385.5 4480.56,3385.5 4524.24,3341.83 4524.24,3292.67 4569.41,3247.5 Q1.1@4569.41,3234.5
7Seg_Mux_A: U1.2 U5.11 | length 2162.2
  Top Layer w10: v1(2405,1605) 2423.08,1586.92 2460.5,1586.92 U1.2@2461,1586.42 ; U5.11@3486.61,3092.01 3485,3090.39 3485,3030 v1(3525,2990)
  Bottom Layer w10: v1(2405,1605) 2428,1582 2572,1582 3105,2115 3105,2480 3525,2900 v1(3525,2990)
7Seg_Mux_B: U1.3 U5.10 | length 1945
  Top Layer w10: U1.3@2461,1606.1 2461.5,1605.6 2534.4,1605.6 v1(2535,1605) ; v1(3460,2990) 3460.51,2990.51 3460.51,3091.5 U5.10@3461.02,3092.01
  Bottom Layer w10: v1(2535,1605) 3075,2145 3075,2500 3460,2885 v1(3460,2990)
7Seg_Mux_C: U1.4 U5.9 | length 2023.2
  Top Layer w10: v1(2396,1640) 2398.71,1640 2412.92,1625.79 U1.4@2461,1625.79 ; v1(3400,2990) 3435,3025 3435,3091.57 U5.9@3435.43,3092.01
  Bottom Layer w10: v1(2396,1640) 2556,1800 2675,1800 3045,2170 3045,2550 3400,2905 v1(3400,2990)
7SegDPL: Q3.1 U1.41 | length 3287.8
  Top Layer w10: v1(2265,1455) 2265.24,1455.24 2265.24,1508.76 U1.41@2265.47,1509 ; v1(3685,2250) 3790,2355 v1(3855,2355) ; Q3.1@3954.41,2439.5 3954.41,2426.5 3973.09,2407.82 3973.09,2396.91 v1(3975,2395)
  Bottom Layer w10: v1(2265,1455) 2265,1255 2390,1130 3260,1130 3328,1062 3587,1062 3685,1160 v1(3685,2250) ; v1(3855,2355) 3935,2355 v1(3975,2395)
7SegDriverA: U1.25 U4.7 | length 2089.3
  Top Layer w10: v1(2105,1820) 2105,1819.14 2095,1809.14 2095,1789.63 2100.86,1783.77 2128.5,1783.77 U1.25@2129,1783.27 ; v1(2115,2035) 2135,2035 2155,2055 2200,2055 2366.33,2221.33 2746.33,2221.33 2910,2385 v1(2910,2400) ; v1@2910,2477 2912,2477 2960,2525 3275,2525 3295,2505 3535.5,2505 3600,2440.5 U4.7@3600,2418.75
  Bottom Layer w10: v1(2105,1820) 2105,1966.11 2115,1976.11 v1(2115,2035) ; v1(2910,2400) 2910.5,2400.5 2910.5,2476.5 v1(2911,2477)
7SegDriverB: U1.26 U4.1 | length 1802.2
  Top Layer w10: v1(2060,2050) 2106.68,2096.68 2201.68,2096.68 2352.5,2247.5 2742.5,2247.5 2860,2365 2860,2405 2895,2440 2945,2440 2960,2455 3285.5,2455 3300,2440.5 U4.1@3300,2418.75 ; v1(2065,1840) 2065,1837.29 2078,1824.29 2078,1782.58 2096.5,1764.08 2128.5,1764.08 U1.26@2129,1763.58
  Bottom Layer w10: v1(2060,2050) 2060,2020.09 2076.44,2003.65 2076.44,1971.44 2065,1960 v1(2065,1840)
7SegDriverC: U1.27 U4.2 | length 1755.4
  Top Layer w10: U1.27@2129,1743.9 2129.5,1744.4 2176.11,1744.4 v1(2191.72,1760) ; v1(2140,1985) 2141.91,1986.91 2141.91,2011.91 2165,2035 2215,2035 2375,2195 2750,2195 2940,2385 3273.03,2385 3284.03,2374 3327,2374 3350,2397 U4.2@3350,2418.75
  Bottom Layer w10: v1(2140,1985) 2138.09,1983.09 2138.09,1968.09 2130,1960 2130,1813 2155.54,1787.46 2164.26,1787.46 v1(2191.72,1760)
7SegDriverD: U1.28 U4.6 | length 1949.8
  Top Layer w10: U1.28@2129,1724.21 2199.21,1724.21 v1(2225,1750) ; v1(2180,2010) 2230,2010 2390,2170 2770,2170 2954,2354 3507,2354 3550,2397 U4.6@3550,2418.75
  Bottom Layer w10: v1(2180,2010) 2180,1975 2165,1960 2165,1835 2225,1775 v1(2225,1750)